# Altium PCB SAMR21_Xplained_Pro.PcbDoc (part 1 of 3) (continued)
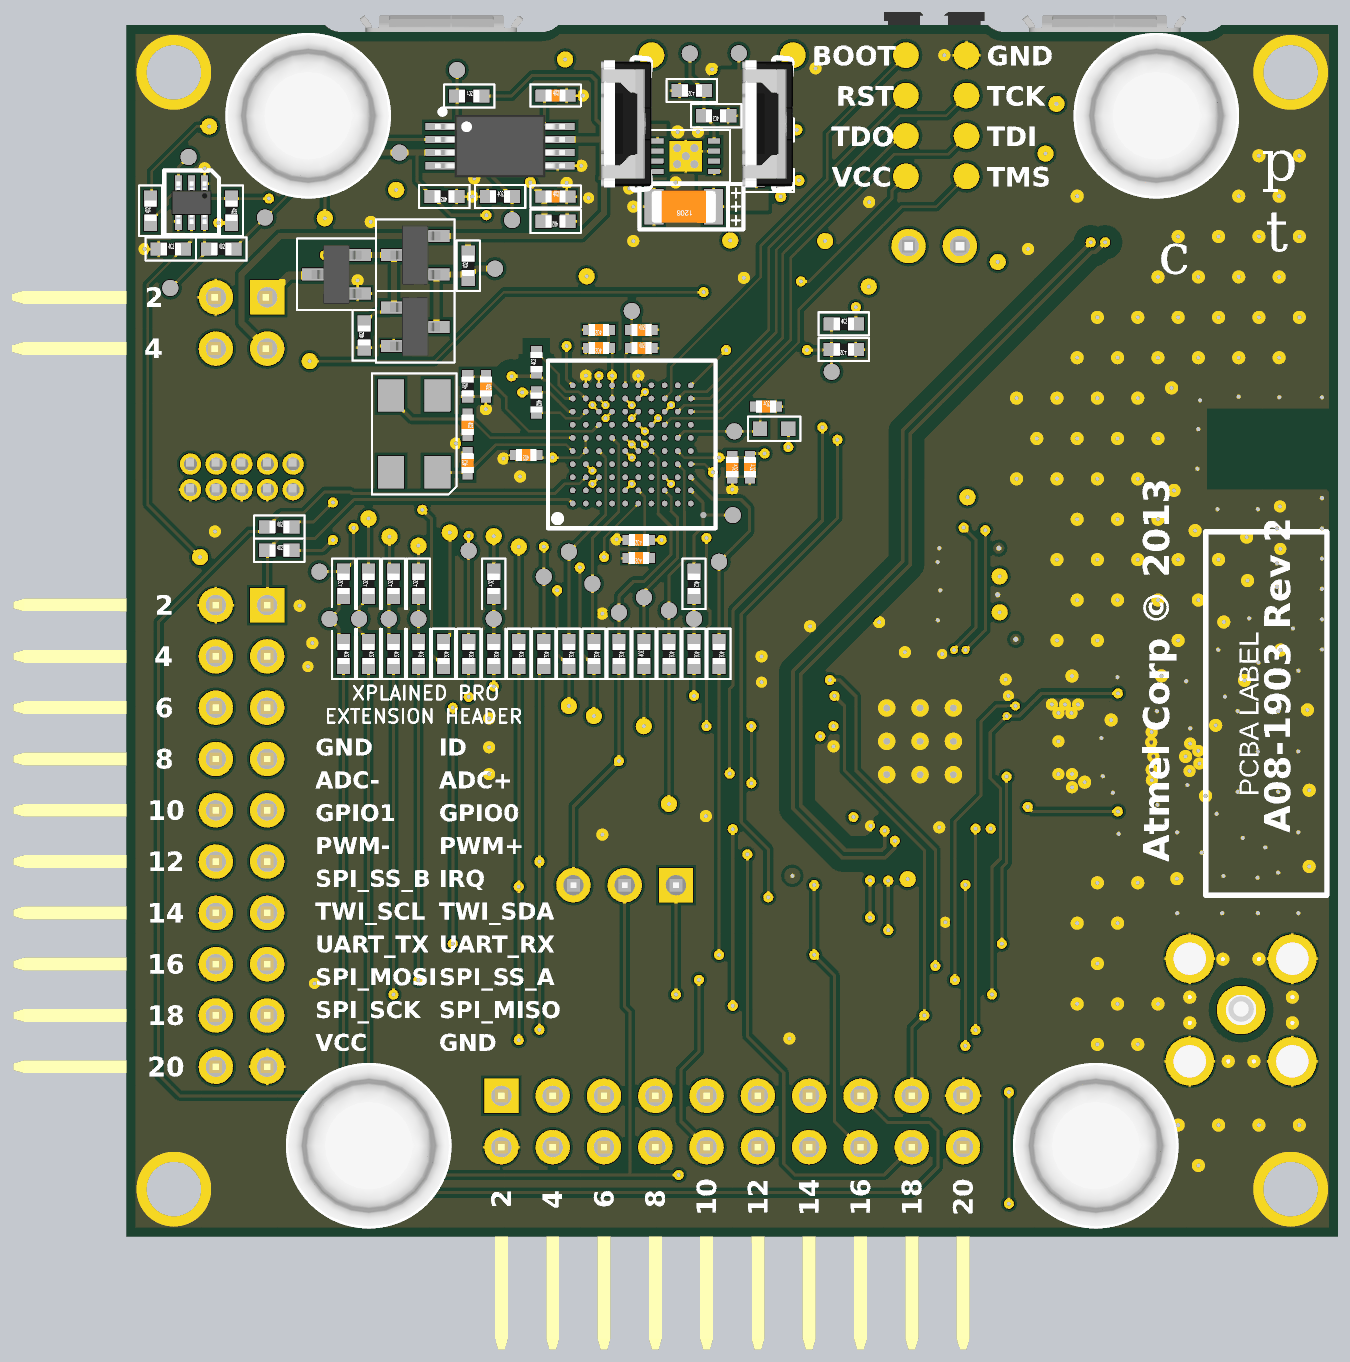
[diagram p7: 3D render of the assembled board from below, using the file's embedded part models]

## Layer stack, top to bottom
Top Solder: solder mask 0.0102, Solder Resist, Dk 3.5
Top Layer LF-signals: signal copper 0.0356
Dielectric1: prepreg 0.13, FR-4, Dk 4.8
GND: plane copper 0.0356
Dielectric2: core 1.2, FR-4, Dk 4.8
POWER: plane copper 0.0356
Dielectric3: prepreg 0.13, FR-4, Dk 4.8
Bottom Layer LF-signals: signal copper 0.0356
Bottom Solder: solder mask 0.0102, Solder Resist, Dk 3.5

## Board outline
-60,-60 -60,0 -54.209,0 -54.209,-0.001 ccw(c-53.434,0.686) -53.434,-0.35 -43.434,-0.35 ccw(c-43.434,0.686) -42.659,-0.001 -42.659,0 -21.375,0 -21.375,-0.001 ccw(c-20.6,0.686) -20.6,-0.35 -10.6,-0.35 ccw(c-10.6,0.686) -9.825,-0.001 -9.825,0 0,0 0,-60

## Design rules (kind name [scope] priority, off if disabled: settings)
AcuteAngle [All] p1: minimum=7.00000000000000E+0001 checktracksonly=FALSE
AssemblyTestpoint [All] p1: testpointundercomponent=TRUE minsize=0.8 maxsize=10 preferedsize=0.8 minholesize=0 maxholesize=2 preferedholesize=0.25 testpointgrid=0.025 usegrid=FALSE gridtolerance=0 allowsidebottom=TRUE minspacing=1.27 compbodyclearance=0.127
Clearance "Stitching GND" [IsStitchingVia and InNet('GND') vs (IsVia and (Not IsStitchingVia)) Or IsPad] p1: gap=1
Clearance Clearance_Poly_USB_Impedance [IsRegion vs InNet('TARGET_USB_P') OR InNet('TARGET_USB_N') OR InNet('EDBG_USB_HS_P') OR InNet('EDBG_USB_HS_N')] p2: gap=0.6
Clearance Clearance_Poly_RF_Impedance [IsRegion vs (InDifferentialPairClass('All Differential Pairs') OR InNet('ANT_OUT') OR InNet('ANTENNA_1') OR InNet('ANTENNA_2') OR InNet('NetA600_1'))] p3: gap=0.4
Clearance Clearance_Poly_RF_Impedance_1 [IsRegion vs (InNet('NetC603_1') OR InNet('NetC604_1') OR InNet('NetC602_2'))] p4: gap=0.4
Clearance Clearance_Poly_KeepOut [(IsRegion OR IsFill) AND (OnLayer('Top Layer LF-signals') OR OnLayer('Bottom Layer LF-signals')) vs (OnLayer('Keep-Out Layer'))] p5: gap=0.1
Clearance Clearance_Poly [IsRegion vs (OnLayer('Top Layer LF-signals') OR OnLayer('Bottom Layer LF-signals'))] p6: gap=0.175
Clearance Clearance_EDBG [InComponent('U400')] p7: gap=0.119
Clearance [All] p8: gap=0.15
DiffPairsRouting [All] p1: maxlimit=0.2 minlimit=0.2 mostfreqgap=0.2 toplayer_minwidth=0.381 toplayer_maxwidth=0.381 toplayer_prefwidth=0.381 bottomlayer_minwidth=0.381 bottomlayer_maxwidth=0.381 bottomlayer_prefwidth=0.381 maxuncoupledlength=5
FabricationTestPointUsage TestPointUsage [All] p1: valid=1 allowmultiple=TRUE
FabricationTestpoint Testpoint [All] p1: side=2 testpointundercomponent=TRUE minsize=0.55 maxsize=10 preferedsize=0.8 minholesize=0 maxholesize=2 preferedholesize=0.25 testpointgrid=0 allowsidebottom=TRUE usegrid=FALSE gridtolerance=0 minspacing=1.27 compbodyclearance=0.127
HoleSize [All] p1: absolutevalues=TRUE maxlimit=10 minlimit=0.15 maxpercent=80.000 minpercent=20.000
HoleToHoleClearance [All] p1: gap=0.3 allowstackedmicrovias=TRUE
MaxMinImpedance "Schematic Impedance Constraint_2" [InNet('ANTENNA_2')] p1: minimum=48,00 maximum=52,00
MaxMinImpedance "Schematic Impedance Constraint_1" [InNet('ANTENNA_1')] p2: minimum=48,00 maximum=52,00
MaxMinImpedance "Schematic Impedance Constraint" [InNet('ANT_OUT')] p3: minimum=48,00 maximum=52,00
MinimumAnnularRing [All] p1: minimumring=0.1
MinimumSolderMaskSliver [All] p1: minsoldermaskwidth=0.075
PlaneClearance [All] p1: clearance=0.3
PlaneConnect PlaneConnect_VIA [IsVia] p1: planeconnectstyle=Direct reliefexpansion=0.508 reliefentries=4 reliefconductorwidth=0.254 reliefairgap=0.254
PlaneConnect "PlaneConnect 50mil" [InComponent('J303')] p2: planeconnectstyle=Relief reliefexpansion=0.2 reliefentries=4 reliefconductorwidth=0.2 reliefairgap=0.2
PlaneConnect [All] p3: planeconnectstyle=Relief reliefexpansion=0.508 reliefentries=4 reliefconductorwidth=0.254 reliefairgap=0.254
PolygonConnect PolygonConnect_VIA [IsVia OR HasPad('Free-666')] p1: connectstyle=Direct reliefconductorwidth=0.254 reliefentries=4 polygonreliefangle="90 Angle" airgapwidth=0.254
PolygonConnect [All] p2: connectstyle=Relief reliefconductorwidth=0.125 reliefentries=4 polygonreliefangle="90 Angle" airgapwidth=0.125
RoutingVias [All] p1: holewidth=0.15 width=0.35 viastyle="Through Hole" minholewidth=0.15 minwidth=0.35 maxholewidth=0.5 maxwidth=1
SMDNeckDown [All] p1: percent=90.000
SilkToSilkClearance [All] p1: silktosilkclearance=0.1
SilkToSolderMaskClearance SilkscreenOverComponentPads [IsPad] p1: minsilkscreentomaskgap=0.01 clearancetoexposedcopper=TRUE
SolderMaskExpansion SolderMaskTenting [IsVia AND NOT (IsFabTestpoint OR IsAssyTestpoint OR InComponent('U300'))] p1: expansion=-1
SolderMaskExpansion [All] p2: expansion=0.05
ViasUnderSMD [All] p1: allowed=FALSE
Width [All] p1: maxlimit=2 minlimit=0.1 preferedwidth=0.25 minimp=40.000000 maximp=50.000000 favimp=45.000000
19 further rules are at their usual default settings.

## Classes and differential pairs
component class Target_MCU: C301 C302 C303 C304 C306 C307 C308 C311 C312 C314 D300 D301 J300 J303 J304 L300 R300 R301 R302 R303 R304 R305 R306 R307 R308 R309 R310 R311 R312 R313 R314 R315 R316 R317 R318 R319 R320 R321 R322 R323 R324 R325 R326 R327 R328 R329 R330 R331 R332 SW300 SW301 TP300 TP301 U300
component class SAMR21_Xplained_Pro_TopLevel: E1 E2 E3 E4 FW1 LABEL1
component class Power_supply: C100 C101 C102 C103 J100 J101 JS100 Q100 Q101 Q102 R100 R101 R102 R103 R104 R105 R106 R107 R108 R109 R110 U100 U101
component class EDBG: C400 C401 C402 C403 C404 C405 C406 C407 C408 C409 C410 C411 C412 C413 C414 C415 D400 D401 D402 J400 L401 L402 Q400 R401 R409 R410 R411 R412 R413 R414 R416 R417 R418 R419 R420 R421 R422 R423 R424 R425 TP400 TP401 TP402 TP403 TP404 TP405 TP406 TP407 U400 XC400
component class Connectors: J200 J202
component class Antenna: A600 B500 B600 C600 C601 C602 C603 C604 C605 C606 J600 L600 U600
component class Crystals: C300 C305 C309 C310 J301 J302 XC300 XC301
differential pair TARGET_USB: +TARGET_USB_P -TARGET_USB_N
differential pair RF: +RF_P -RF_N
differential pair EDBG_USB_HS: +EDBG_USB_HS_P -EDBG_USB_HS_N
differential pair EDBG_USB_FS: +EDBG_USB_FS_P -EDBG_USB_FS_N

## Components (designator, comment, footprint, x,y, rotation, side; value= is the part's Value field where it differs from the comment)
A600 "ANT_CERAMIC_4pin" AP8-00678 -58.55,-21 r90 top
B600 "New part development in cooperation ATMEL/JTI" AP3-00060 -46.8,-36.225 r90 top
C100 "CAP-POL" AP1-00036 -27.6,-9 r0 bottom
C101 "CAP-NONPOL" AP1-00039 -24.9,-6.4 r270 bottom
C102 "CAP-NONPOL" AP1-00001 -21.25,-3.5 r180 bottom
C103 "CAP-NONPOL" AP1-00001 -21.25,-8.5 r180 bottom
C300 "CAP-NONPOL" AP1-00001 -35.944,-30.139 r180 top
C301 "100n" AP1-00053 -23.6,-10.675 r180 top
C302 "CAP-NONPOL" AP1-00053 -51.2,-6.978 r90 top locked
C303 "CAP-NONPOL" AP1-00001 -35.394,-40.414 r180 top
C304 "CAP-NONPOL" AP1-00001 -39.625,-41.225 r270 top
C305 "CAP-NONPOL" AP1-00001 -38.6,-30.139 r0 top
C306 "CAP-NONPOL" AP1-00039 -41.122,-26.611 r90 top
C307 "CAP-NONPOL" AP1-00001 -42.206,-29.248 r90 top
C308 "CAP-NONPOL" AP1-00001 -44.26,-31.863 r270 top
C309 "CAP-NONPOL" AP1-00001 -32.753,-31.271 r0 top
C310 "CAP-NONPOL" AP1-00001 -32.8,-32.546 r0 top
C311 "CAP-NONPOL" AP1-00001 -40.979,-29.242 r90 top
C312 "CAP-NONPOL" AP1-00001 -32.532,-35.575 r270 top
C314 "CAP-NONPOL" AP1-00001 -33.625,-35.575 r270 top
C400 "22p" AP1-00053 -16.9,-21.7 r90 bottom
C401 "22p" AP1-00053 -16.9,-19.8 r270 bottom
C402 "10p" AP1-00053 -17.8,-17.9 r270 bottom
C403 "CAP-NONPOL" AP1-00053 -18.1,-6.9 r90 top
C404 "100n" AP1-00053 -31.675,-18.9 r180 bottom
C405 "Farnell no: 1288200" AP1-00053 -25.5,-15.1 r180 bottom
C406 "1 nF C0G" AP1-00053 -25.5,-16 r180 bottom
C407 "1 nF C0G" AP1-00053 -12.7,-9.175 r270 top
C408 "1 nF C0G" AP1-00053 -11.4,-9.175 r270 top
C409 "Farnell no: 1288200" AP1-00053 -23.4,-15.1 r0 bottom
C410 "100n" AP1-00053 -23.4,-16 r0 bottom
C411 "100n" AP1-00053 -19.8,-21.3 r0 bottom
C412 "100n" AP1-00053 -25.375,-25.5 r0 bottom
C413 "100n" AP1-00053 -30,-21.9 r270 bottom
C414 "Farnell no: 1288200" AP1-00053 -30.875,-21.9 r270 bottom
C415 "Farnell no: 1288200" AP1-00053 -25.375,-26.4 r0 bottom
C600 "This 1.2pF capacitor is used for RF antennae tuning and can not be replaced by alternatives." AP1-00035 -57.857,-25.947 r180 top
C601 "This 22pF capacitor cannot be replaced by A01-0311 in ZigBits" AP1-00035 -57.859,-23.819 r180 top
C602 "This 22pF capacitor cannot be replaced by A01-0311 in ZigBits" AP1-00035 -48.253,-36.193 r180 top
C603 "This 22pF capacitor cannot be replaced by A01-0311 in ZigBits" AP1-00035 -52.618,-38.927 r225 top locked
C604 "This 22pF capacitor cannot be replaced by A01-0311 in ZigBits" AP1-00035 -52.633,-33.568 r135 top
C605 "CAP-NONPOL" AP1-00001 -49.808,-39.509 r270 top
C606 "CAP-NONPOL" AP1-00001 -49.796,-32.847 r90 top
D300 "PRTR5V0U2X" AP4-00001 -49.159,-7.678 r0 top
D301 "Yellow" AP4-00013 -34.45,-11.7 r0 top
D400 "Green" AP4-00013 -8.75,-2.5 r90 top
D401 "Yellow" AP4-00013 -6.5,-2.5 r90 top
D402 "PRTR5V0U2X" AP4-00001 -16.4,-7.6 r0 top
E1 "RUBBER FEET" AP8-00192 -9,-4.5 r180 bottom
E2 "RUBBER FEET" AP8-00192 -51,-4.5 r180 bottom
E3 "RUBBER FEET" AP8-00192 -12,-55.5 r180 bottom
E4 "RUBBER FEET" AP8-00192 -48,-55.5 r180 bottom
J100 "HEADER 2x2" AP8-00628 -5.7,-14.76 r270 top
J101 "HEADER 1x2" AP8-00367 -40,-10.95 r0 top locked
J200 "HEADER 2x10" AP8-00622 -5.7,-40.16 r270 top
J202 "HEADER 2x10" AP8-00622 -30,-54.3 r180 top
J300 "USB_AB" AP8-00604 -48.434,-2.3 r180 top locked
J301 "SMD-STRAP_CLOSED" AP8-00595 -32.228,-30.258 r180 top net-tie
J302 "SMD-STRAP_CLOSED" AP8-00595 -35.586,-28.421 r270 top net-tie
J303 "HEADER 2x5" AP8-00257 -5.713,-22.38 r0 top
J304 "HEADER 1x3" AP8-00745 -24.675,-42.6 r0 top
J400 "USB_AB" AP8-00604 -15.6,-2.3 r180 top
J600 "Footprint fits SPC, Tyco and Johnson components footprint" AP8-00416 -55.195,-48.78 r0 top locked
JS100 "" AP8-00525 -39.575,-1 r0 top
L300 "INDUCTOR" AP3-00005 -42.25,-26.585 r270 top
L401 "BLM18PG471SN1" AP3-00005 -12,-7.575 r0 top
L402 "BLM18PG471SN1" AP3-00005 -32.075,-20 r0 bottom
L600 "INDUCTOR" AP2-00028 -58.058,-24.878 r270 top
LABEL1 "PCBA_LABEL" AP8-00317 -59.444,-43.098 r90 bottom
Q100 "MOSFET_P_GSD" AP5-00002 -10.4,-12.35 r0 bottom
Q101 "MOSFET_P_GSD" AP5-00002 -14.3,-11.4 r0 bottom
Q102 "MOSFET_N_GSD" AP5-00002 -14.3,-14.95 r180 bottom
Q400 "Same as 2N7002 but with two MOSFETs in one package" AP5-00001 -3.225,-8.8 r270 bottom
R100 "R2" AP2-00000 -28,-3.25 r0 bottom
R101 "R2" AP2-00000 -16.975,-3.525 r180 bottom
R102 "R2" AP2-00000 -29.2,-4.5 r0 bottom
R103 "R2" AP2-00000 -16.925,-11.925 r90 bottom
R104 "R2" AP2-00000 -15.75,-8.5 r0 bottom
R105 "R2" AP2-00000 -21.25,-9.725 r0 bottom
R106 "R2" AP2-00000 -18.5,-8.5 r180 bottom
R107 "R2" AP2-00000 -11.775,-15.379 r90 bottom
R108 "R2" AP2-00000 -31.8,-5.2 r180 bottom
R109 "R2" AP2-00000 -35.524,-14.804 r180 bottom
R110 "R2" AP2-00000 -35.524,-16.079 r0 bottom
R300 "R2" AP2-00000 -21.2,-9.9 r0 top
R301 "R2" AP2-00000 -31.225,-14.192 r90 top
R302 "R2" AP2-00011 -30.65,-9.85 r0 top
R303 "R2" AP2-00000 -31.225,-11.7 r0 top
R304 "R2" AP2-00011 -23.6,-9.8 r0 top
R305 "R2" AP2-00011 -52.1,-6.978 r90 top locked
R306 "R2" AP2-00000 -29.887,-14.2 r90 top
R307 "R2" AP2-00000 -32.375,-39.825 r0 top
R308 "R2" AP2-00000 -32.375,-41.075 r0 top
R309 "R2" AP2-00000 -32.375,-38.575 r0 top
R310 "R2" AP2-00000 -24.387,-31.151 r270 bottom
R311 "R2" AP2-00000 -26.866,-31.151 r270 bottom
R312 "R2" AP2-00000 -29.345,-31.151 r270 bottom
R313 "R2" AP2-00000 -28.106,-31.151 r270 bottom
R314 "R2" AP2-00000 -20.669,-31.151 r270 bottom
R315 "R2" AP2-00000 -19.429,-31.151 r270 bottom
R316 "R2" AP2-00000 -16.95,-31.151 r270 bottom
R317 "R2" AP2-00000 -18.19,-31.151 r270 bottom
R318 "R2" AP2-00000 -14.461,-31.15 r270 bottom
R319 "R2" AP2-00000 -13.225,-31.15 r270 bottom
R320 "R2" AP2-00000 -11.989,-31.15 r270 bottom
R321 "R2" AP2-00000 -10.753,-31.15 r270 bottom
R322 "R2" AP2-00000 -21.908,-31.151 r270 bottom
R323 "R2" AP2-00000 -23.148,-31.151 r270 bottom
R324 "R2" AP2-00000 -15.7,-31.151 r270 bottom
R325 "R2" AP2-00000 -25.627,-31.151 r90 bottom
R326 "R2" AP2-00000 -42.757,-40.73 r0 top
R327 "R2" AP2-00000 -42.753,-41.98 r0 top
R328 "R2" AP2-00000 -45.51,-7.895 r90 top
R329 "R2" AP2-00000 -42.25,-14.874 r0 top
R330 "R2" AP2-00000 -45.51,-10.5 r90 top
R331 "R2" AP2-00011 -22.62,-11.535 r180 top
R332 "R2" AP2-00000 -10.73,-30 r0 top
R401 "R2" AP2-00000 -7.576,-24.862 r180 bottom
R409 "R2" AP2-00000 -7.576,-26.017 r180 bottom
R410 "R2" AP2-00000 -5.2,-9.2 r270 bottom
R411 "R2" AP2-00000 -4.7,-11.1 r180 bottom
R412 "R2" AP2-00000 -1.2,-9.2 r90 bottom
R413 "R2" AP2-00000 -2.2,-11.1 r180 bottom
R414 "R2" AP2-00000 -18.19,-27.675 r90 bottom
R416 "R2" AP2-00000 -14.461,-27.675 r90 bottom
R417 "R2" AP2-00000 -13.225,-27.675 r90 bottom
R418 "R2" AP2-00000 -11.989,-27.675 r90 bottom
R419 "R2" AP2-00000 -10.75,-27.675 r90 bottom
R420 "R2" AP2-00000 -28.106,-27.675 r270 bottom
R421 "R2" AP2-00011 -20.3,-16.7 r90 bottom
R422 "R2" AP2-00011 -20.3,-18.7 r270 bottom
R423 "R2" AP2-00011 -16.9,-17.9 r90 bottom
R424 "R2" AP2-00011 -19,-6.9 r90 top
R425 "R2" AP2-00000 -31.8,-7.7 r0 bottom
SW300 "Can be ordered in low volumes from Mouser" AP8-00137 -33,-4.9 r90 top
SW301 "Can be ordered in low volumes from Mouser" AP8-00137 -26,-4.9 r90 top
TP300 "TESTPOINT" AP8-00010 -33,-1.5 r270 bottom locked
TP301 "TESTPOINT" AP8-00010 -26,-1.5 r270 bottom locked
TP400 "TESTPOINT" AP8-00010 -41.6,-1.5 r270 bottom
TP401 "TESTPOINT" AP8-00010 -38.6,-1.5 r270 bottom
TP402 "TESTPOINT" AP8-00010 -41.6,-3.5 r270 bottom
TP403 "TESTPOINT" AP8-00010 -41.6,-5.5 r270 bottom
TP404 "TESTPOINT" AP8-00010 -38.6,-5.5 r270 bottom
TP405 "TESTPOINT" AP8-00010 -41.6,-7.5 r270 bottom
TP406 "TESTPOINT" AP8-00010 -38.6,-3.5 r270 bottom
TP407 "TESTPOINT" AP8-00010 -38.6,-7.5 r270 bottom
U100 "Mouser: 1016-1588-2-ND" AP6-00338 -27.7,-6.5 r180 bottom
U101 "TPS2112" AP6-00054 -18.5,-6 r180 bottom
U300 "SAMR21G" AP6-00171 -39.3,-35.475 r270 top
U400 "100 ball VFBGA" AP6-00206 -25.025,-20.775 r90 bottom
U600 "AS222-92" AP6-00227 -51.7,-35.575 r270 top
XC300 "TSX-3225" AP7-00061 -37.972,-27.848 r270 top
XC301 "Farnell order no:1539364" AP7-00044 -30.266,-31.096 r270 top
XC400 "12.0MHz" AP7-00039 -14.25,-20.25 r90 bottom

## Footprints (in the part's own frame and the unit in brackets; to place one, negate y for a bottom-side part, rotate by r counter-clockwise, add the part's x,y. Pads: shape width x height; smd on the part's side, far side on the other; paste and mask are expansions set on the pad)
AP1-00001 [mm] "Standard 0402 SMD capacitor footprint"
  rect 0.9x0.6 smd: 1(-0.55,0) 2(0.55,0)
  silkscreen extent -1.25,-0.55 1.25,0.55, body extent -0.5,-0.3 0.5,0.3, height 0.2
AP1-00035 [mm] "0201_SMD"
  rect 0.205x0.282 smd paste+0 mask+0.063: 1(-0.237,0) 2(0.237,0)
  silkscreen extent -0.55,-0.35 0.55,0.34, body extent -0.31,-0.15 0.29,0.15, height 0.3
AP1-00036 [mm] "SMD capacitors: 3216-18 EIA Case 1206, polarized"
  rect 0.95x1.75 smd: 1(-1.475,0) 2(1.475,0)
  silkscreen extent -2.95,-1.12 2.2,1.12, body extent -1.6,-0.8 1.6,0.8, height 1
AP1-00039 [mil] "Capacitor 0603 Hight 0.8mm"
  rect 30x30 smd: 1(-27.5,0) 2(27.5,0)
  silkscreen extent -52,-24 51,24, body extent -31,-16 32,16, height 12
AP1-00053 [mm] "Chip Capacitor, 2-Leads, Body 1.0x0.5mm, IPC High Density"
  rect 0.65x0.5 smd: 1(-0.475,0) 2(0.475,0)
  body extent -0.5,-0.3 0.5,0.3, height 0.2
AP2-00000 [mm] "Standard 0402 SMD resistor footprint"
  rect 0.8x0.65 smd: 1(-0.6,0) 2(0.6,0)
  silkscreen extent -1.25,-0.58 1.25,0.58, body extent -0.5,-0.3 0.5,0.3, height 0.2
AP2-00011 [mm] "Chip Resistor, 2-Leads, Body 1,0x0,5mm, IPC High Density"
  rect 0.6x0.55 smd: 1(-0.5,0) 2(0.5,0)
  body extent -0.5,-0.3 0.5,0.3, height 0.2
AP2-00028 [mm] "0201_SMD"
  rect 0.205x0.282 smd paste+0 mask+0.063: 1(-0.237,0) 2(0.237,0)
  silkscreen extent -0.55,-0.35 0.55,0.34, body extent -0.3,-0.15 0.3,0.15, height 0.12
AP3-00005 [mm]
  rect 0.7x0.7 smd: 1(-0.7,0) 2(0.7,0)
  silkscreen extent -1.3,-0.6 1.3,0.6, body extent -0.83,-0.41 0.82,0.41, height 0.8
AP3-00060 [mm] "0805 6pin Balun, narrow variant"
  rect 0.7x0.35 smd: 1(0,0) 2(0,-0.65) 3(0,-1.3) 4(1.5,-1.3) 5(1.5,-0.65) 6(1.5,0)
  silkscreen extent 0.47,-0.37 1.02,0.5, body extent 0.1,-1.6 1.35,0.35, height 0.85